# Altium PCB PCB.PcbDoc (part 5 of 5)
Units mm, origin at the board's own origin, x right, y up, seen from the top; angles counter-clockwise.
Board outline 112 x 68.3 mm, 8 copper layers (Top Layer (Sig 1), Ground Plane 1, Signal Layer 2, Power Plane 1, Power Plane 2, Signal Layer 3, Ground Plane 2, Bottom Layer (Sig 4)), stack 1.68 mm thick; 392 components, 293 nets, 1571 pads, 926 vias.
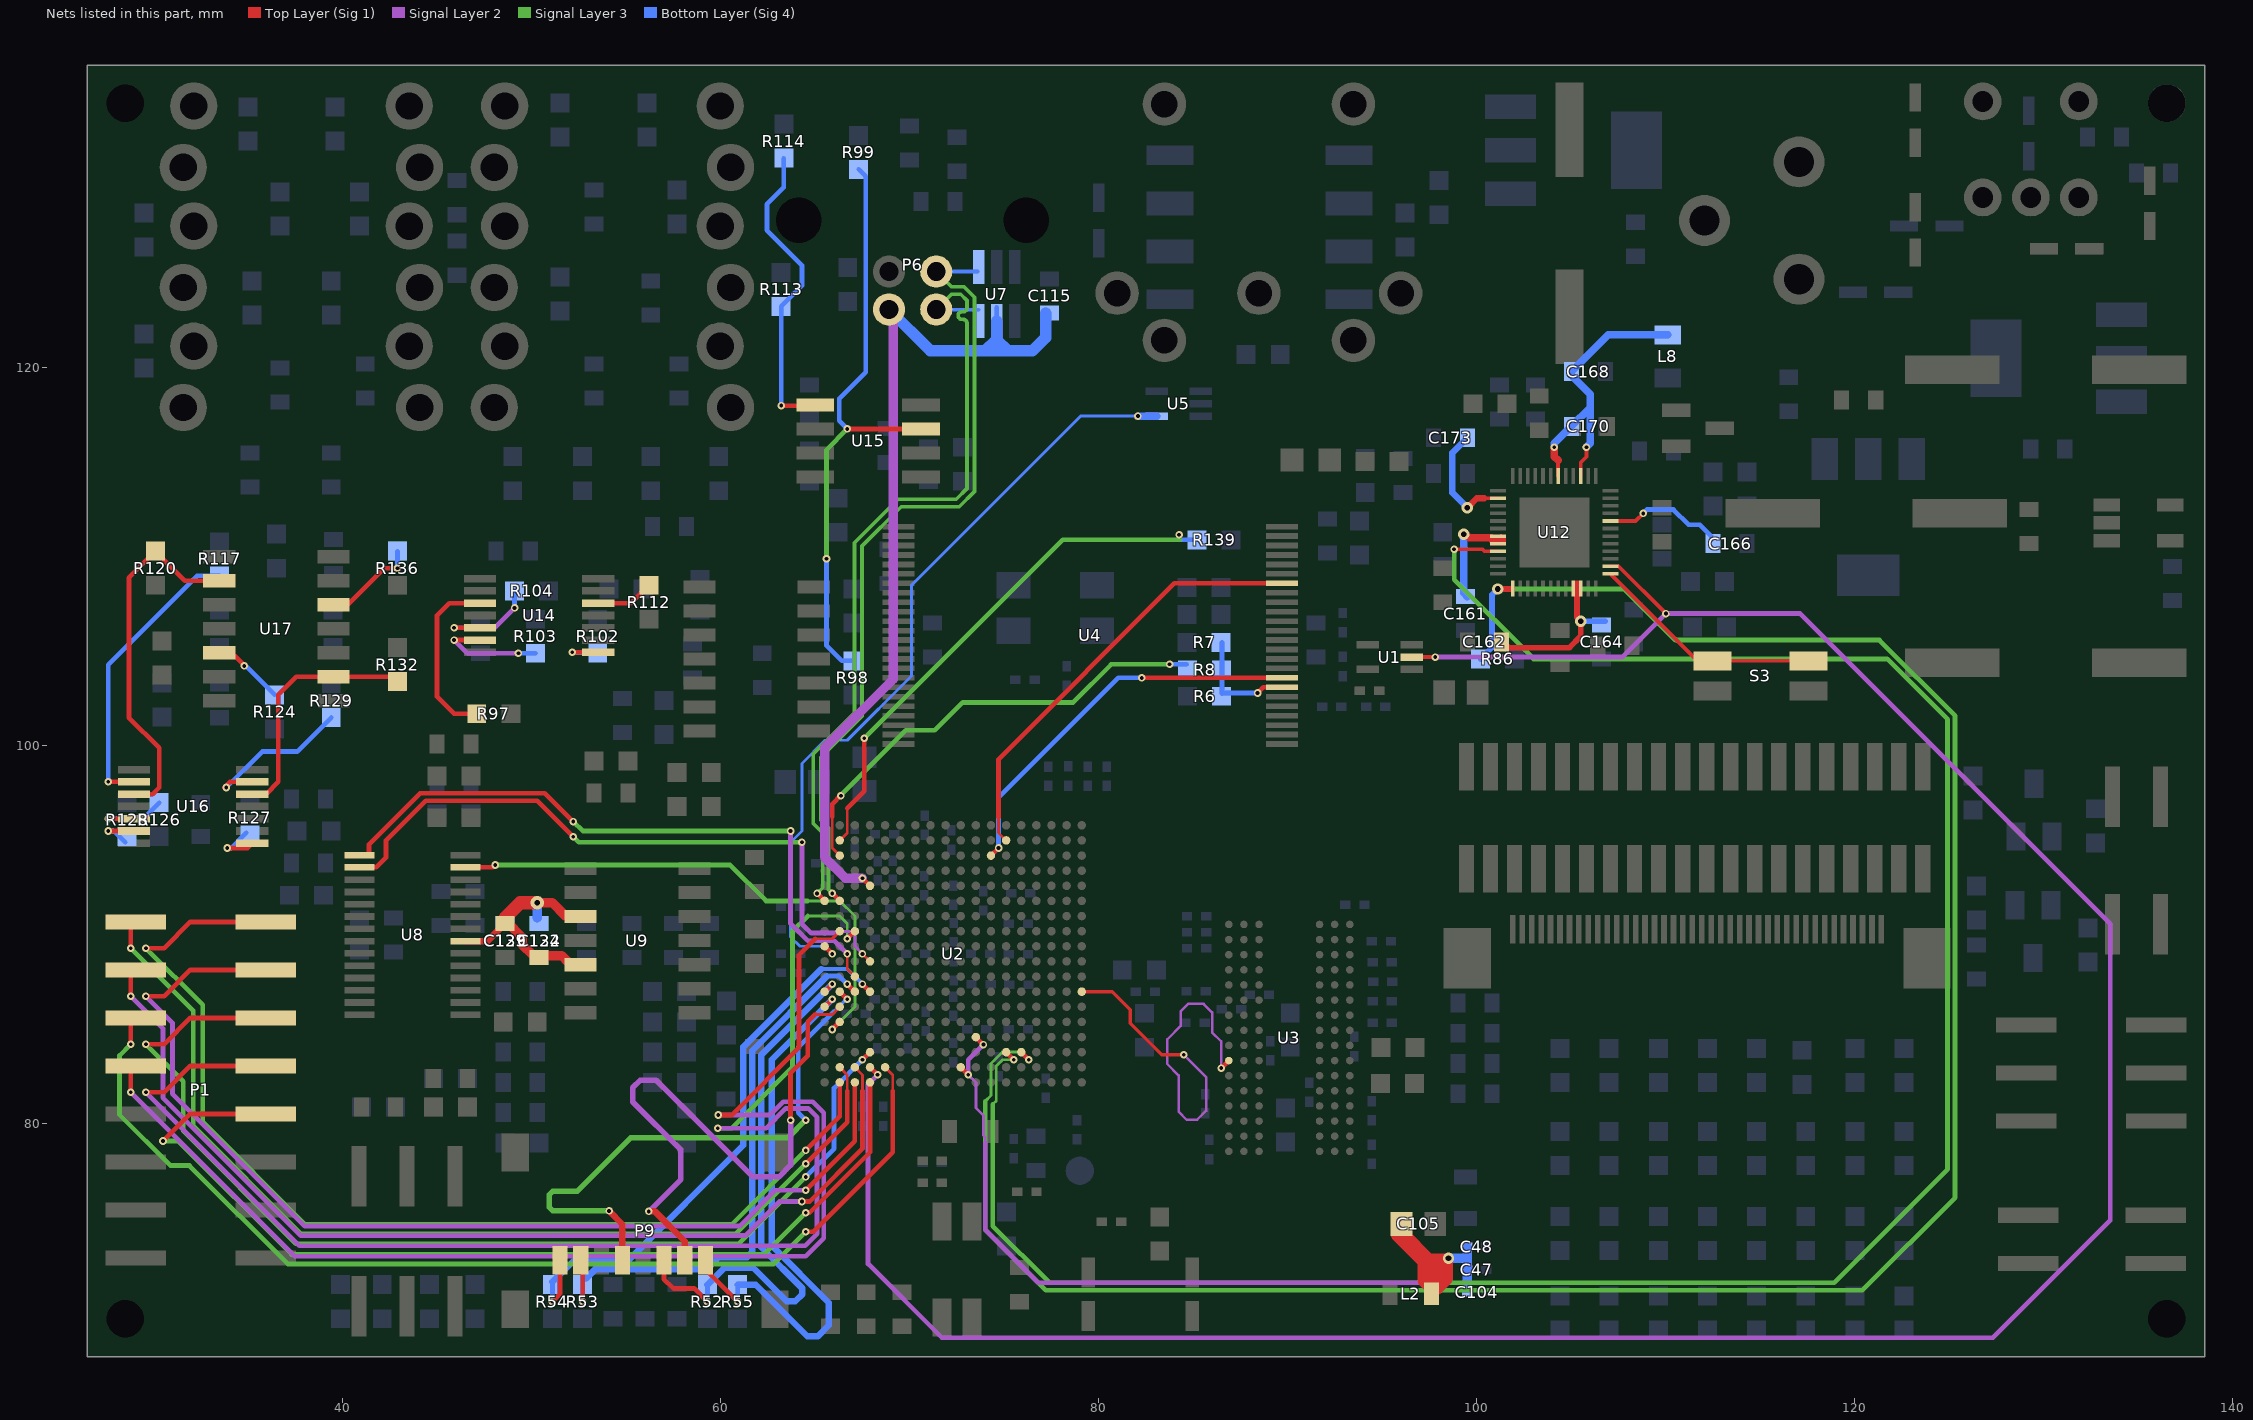
[diagram p11: the nets of this part, all layers, seen from the top]

## Via types
v1: diameter 0.4, hole 0.2, Top Layer (Sig 1) to Bottom Layer (Sig 4), tented top, 394 vias
v2: diameter 0.4, hole 0.2, Top Layer (Sig 1) to Bottom Layer (Sig 4), 265 vias
v3: diameter 0.4, hole 0.2, Top Layer (Sig 1) to Bottom Layer (Sig 4), tented bottom, 83 vias
v4: diameter 0.5, hole 0.2, Top Layer (Sig 1) to Bottom Layer (Sig 4), 44 vias
v5: diameter 1.2, hole 0.6, Top Layer (Sig 1) to Bottom Layer (Sig 4), 27 vias
v6: diameter 0.6, hole 0.3, Top Layer (Sig 1) to Bottom Layer (Sig 4), tented bottom, 15 vias
v7: diameter 0.7, hole 0.3, Top Layer (Sig 1) to Bottom Layer (Sig 4), 15 vias
v8: diameter 0.7, hole 0.3, Top Layer (Sig 1) to Bottom Layer (Sig 4), tented bottom, 13 vias
v9: diameter 0.6, hole 0.3, Top Layer (Sig 1) to Bottom Layer (Sig 4), 10 vias
v10: diameter 0.5, hole 0.2, Top Layer (Sig 1) to Bottom Layer (Sig 4), tented top, 10 vias
v11: diameter 0.5, hole 0.2, Top Layer (Sig 1) to Bottom Layer (Sig 4), tented bottom, 9 vias
v12: diameter 0.6, hole 0.3, Top Layer (Sig 1) to Bottom Layer (Sig 4), tented top, 9 vias
v13: diameter 0.8, hole 0.4, Top Layer (Sig 1) to Bottom Layer (Sig 4), 8 vias
v14: diameter 1, hole 0.5, Top Layer (Sig 1) to Bottom Layer (Sig 4), tented top, 7 vias
v15: diameter 1, hole 0.5, Top Layer (Sig 1) to Bottom Layer (Sig 4), tented bottom, 5 vias
v16: diameter 1.2, hole 0.6, Top Layer (Sig 1) to Bottom Layer (Sig 4), tented bottom, 4 vias
v17: diameter 0.8, hole 0.4, Top Layer (Sig 1) to Bottom Layer (Sig 4), tented bottom, 3 vias
v18: diameter 0.8, hole 0.4, Top Layer (Sig 1) to Bottom Layer (Sig 4), tented top, 2 vias
v19: diameter 0.4, hole 0.2, Top Layer (Sig 1) to Bottom Layer (Sig 4), tented both sides, 1 vias
v20: diameter 0.7, hole 0.3, Top Layer (Sig 1) to Bottom Layer (Sig 4), tented top, 1 vias
v21: diameter 1.2, hole 0.6, Top Layer (Sig 1) to Bottom Layer (Sig 4), tented top, 1 vias

## Nets (pads, with @x,y where several pads share a name; then routed paths per layer and width w, separated by ;. In a path a pad name is that pad's centre, name@x,y a point inside that pad or via, vN(x,y) a via of type N, cw(c..) or ccw(c..) an arc to the next point about the centre after c; other vN are vias at no path point) (continued)
NetR97_1: R97.1 U14.10 | length 9.3
  Top Layer (Sig 1) w0.25: R97.1@47.1,101.7 45.9,101.7 45,102.6 45,106.9 45.65,107.55 U14.10@47.276,107.55
NetR98_1: R98.1 R99.1 U15.3 | length 32.2
  Top Layer (Sig 1) w0.25: v2(66.7,116.77) U15.3@70.594,116.77
  Signal Layer 3 w0.25: v3(65.6,109.9) 65.6,115.67 v2(66.7,116.77)
  Bottom Layer (Sig 4) w0.25: v3(65.6,109.9) 65.6,105.3 66.4,104.5 R98.1@67,104.5 ; v2(66.7,116.77) 66.275,117.195 66.275,118.375 67.675,119.775 67.675,130.125 R99.1@67.3,130.5
NetR102_1: R102.1 U14.1 | length 2.8
  Top Layer (Sig 1) w0.25: v3(52.148,104.95) U14.1@53.524,104.95
  Bottom Layer (Sig 4) w0.25: v3(52.148,104.95) R102.1@53.524,104.95
NetR103_1: R103.1 U14.13 | length 6
  Top Layer (Sig 1) w0.25: v3(45.9,105.6) U14.13@47.276,105.6
  Signal Layer 2 w0.25: v3(45.9,105.6) 46.6,104.9 v3(49.3,104.9)
  Bottom Layer (Sig 4) w0.25: v3(49.3,104.9) R103.1@50.2,104.9
NetR104_1: R104.1 U14.12 | length 5.9
  Top Layer (Sig 1) w0.25: v3(45.9,106.25) U14.12@47.276,106.25
  Signal Layer 2 w0.25: v3(45.9,106.25) 48.05,106.25 v3(49.1,107.3)
  Bottom Layer (Sig 4) w0.25: v3(49.1,107.3) R104.1@49.1,108.2
NetR112_1: R112.1 U14.5 | length 3.1
  Top Layer (Sig 1) w0.25: U14.5@53.524,107.55 55.25,107.55 R112.1@56.2,108.5
NetR113_1: R113.1 R114.1 U15.5 | length 16.5
  Top Layer (Sig 1) w0.25: v2(63.2,118) 64.966,118 U15.5@65.006,118.04
  Bottom Layer (Sig 4) w0.25: v2(63.2,118) R113.1@63.2,123.25 64.3,124.35 64.3,125.425 62.45,127.275 62.45,128.65 63.343,129.543 R114.1@63.343,131.091
NetR117_1: R117.1 U16.9 | length 15.4
  Top Layer (Sig 1) w0.25: v2(27.6,98.1) U16.9@28.976,98.1
  Bottom Layer (Sig 4) w0.25: v2(27.6,98.1) 27.6,104.3 32.3,109 R117.1@33.5,109
NetR120_2: R120.2 U16.10 U17.2 | length 19.2
  Top Layer (Sig 1) w0.25: U16.10@28.976,97.45 29.95,97.45 30.3,97.8 30.3,99.9 28.7,101.5 28.7,108.9 R120.2@30.1,110.3 31.66,108.74 U17.2@33.477,108.74
NetR124_2: R124.2 U17.5 | length 3.2
  Top Layer (Sig 1) w0.25: U17.5@34.13,104.93 v2@34.8,104.26
  Bottom Layer (Sig 4) w0.25: v2(34.8,104.23) 34.87,104.23 R124.2@36.4,102.7
NetR126_2: R126.2 U16.12 | length 4.4
  Top Layer (Sig 1) w0.25: v2(27.6,96.15) U16.12@28.976,96.15
  Bottom Layer (Sig 4) w0.25: v2(27.6,96.15) 29.45,96.15 R126.2@30.3,97
NetR127_1: R127.1 U16.1 | length 2.8
  Top Layer (Sig 1) w0.25: v2(33.9,94.6) 34.974,94.6 U16.1@35.224,94.85
  Bottom Layer (Sig 4) w0.25: v2(33.9,94.6) 34.1,94.6 R127.1@34.9,95.4
NetR128_1: R128.1 U16.13 | length 2.5
  Top Layer (Sig 1) w0.25: v2(27.6,95.5) U16.13@28.976,95.5
  Bottom Layer (Sig 4) w0.25: v2(27.6,95.5) 27.9,95.5 R128.1@28.5,94.9
NetR129_1: R129.1 U16.6 | length 8.7
  Top Layer (Sig 1) w0.25: v2@33.748,97.8 34.048,98.1 U16.6@35.224,98.1
  Bottom Layer (Sig 4) w0.25: v2(33.848,97.8) 35.748,99.7 37.6,99.7 R129.1@39.4,101.5
NetR132_2: R132.2 U16.5 U17.9 | length 13.1
  Top Layer (Sig 1) w0.25: U16.5@35.224,97.45 35.95,97.45 36.6,98.1 36.6,102.7 37.56,103.66 U17.9@39.523,103.66 42.64,103.66 R132.2@42.9,103.4
NetR136_2: R136.2 U17.12 | length 5.1
  Top Layer (Sig 1) w0.25: U17.12@39.523,107.47 40.27,107.47 42.2,109.4 v2(42.9,109.4)
  Bottom Layer (Sig 4) w0.25: v2(42.9,109.4) R136.2@42.9,110.3
NetS3_2: S3.2 S3.4 U12.25 | length 12.4
  Top Layer (Sig 1) w0.2: U12.25@107.075,109.1 111.675,104.5 S3.4@112.46,104.5 S3.2@117.54,104.5
NetU2_K18: U2.K18 U5.4 | length 41.8
  Top Layer (Sig 1) w0.25: U2.K18@65.5,89.4 v1(65.9,89)
  Bottom Layer (Sig 4) w0.15: v1(65.9,89) 65.5,89.4 64.2,89.4 63.7,89.9 63.7,94.9 64.3,95.5 64.3,99.075 65.525,100.3 66.7,100.3 70.1,103.7 70.1,108.5 79.05,117.45 v1(82.07,117.45)
  Bottom Layer (Sig 4) w0.4: v1(82.07,117.45) U5.4@83.07,117.45
NRB0: R8.1 U2.T17 | length 24.7
  Top Layer (Sig 1) w0.15: 65.9,96.25 65.9,94.6 U2.T17@66.3,94.2
  Top Layer (Sig 1) w0.25: 65.9,96.25 65.9,96.925 v1@66.387,97.413
  Signal Layer 3 w0.25: v1@66.387,97.413 69.8,100.825 71.325,100.825 72.8,102.3 78.65,102.3 80.675,104.325 ; 80.65,104.325 v2(83.75,104.325)
  Bottom Layer (Sig 4) w0.25: v2(83.75,104.325) R8.1@84.65,104.325
  other v1: 66.363,97.362
NRB1: R6.2 R7.1 R8.2 U4.7 | length 6
  Top Layer (Sig 1) w0.25: v3(88.4,102.8) 88.7,103.1 U4.7@89.7,103.1
  Bottom Layer (Sig 4) w0.25: R6.2@86.525,102.775 R7.1@86.525,105.475 ; R6.2@86.525,102.8 v3@88.425,102.8
NRE: U2.T7 U4.8 | length 20.9
  Top Layer (Sig 1) w0.25: U2.T7@74.3,94.2 v1(74.7,94.6) ; v3@82.25,103.6 88.4,103.6 U4.8@89.7,103.6
  Bottom Layer (Sig 4) w0.25: v1(74.7,94.6) 74.7,97.275 81.025,103.6 v3(82.275,103.6)
NWE: U2.U6 U4.18 | length 23.3
  Top Layer (Sig 1) w0.15: 74.7,96.2 74.7,95.4 U2.U6@75.1,95
  Top Layer (Sig 1) w0.25: 74.7,96.2 74.7,99.3 84,108.6 U4.18@89.7,108.6
NWP: R139.1 U2.U17 | length 27.9
  Top Layer (Sig 1) w0.15: U2.U17@66.3,95 66.7,95.4 66.7,96.25 66.7,96.7
  Top Layer (Sig 1) w0.25: 66.7,96.7 67.6,97.6 v2(67.6,100.4)
  Signal Layer 3 w0.25: v2(67.6,100.4) 78.1,110.9 84.3,110.9
  Bottom Layer (Sig 4) w0.25: 84.3,110.9 R139.1@85.2,110.9
  other v3: 84.25,111.175
ODT: U2.G1 U3.K1 | length 24.1
  Top Layer (Sig 1) w0.184: U2.G1@79.1,87 80.724,87.001 81.675,86.05 81.675,85.325 83.333,83.667 v2(84.492,83.667)
  Top Layer (Sig 1) w0.25: v1(86.48,82.955) U3.K1@86.879,83.355
  Signal Layer 2 w0.134: v2(84.492,83.667) 85.675,82.484 85.675,80.7 85.2,80.225 84.65,80.225 84.225,80.65 84.225,82.575 83.625,83.175 83.625,84.475 84.35,85.2 84.35,85.975 84.725,86.35 85.55,86.35 86,85.9 86,84.85 86.48,84.37 v1(86.48,82.955)
PGOOD: U1.2 U2.B15 U12.26 | length 145
  Top Layer (Sig 1) w0.2: U1.2@96.6,104.7 v3(97.8,104.7) ; U12.26@107.075,109.5 107.5,109.5 v1(110,107)
  Top Layer (Sig 1) w0.25: U2.B15@67.9,83 v1(68.3,82.6)
  Signal Layer 2 w0.25: v1(68.3,82.6) 67.8,82.1 67.8,72.6 71.694,68.706 ; 71.694,68.7 127.3,68.7 133.5,74.9 133.5,90.6 117.1,107 v1(110,107) 107.7,104.7 v3(97.8,104.7)
PWR_EN: U2.C6 U12.9 | length 121.3
  Top Layer (Sig 1) w0.2: v3(98.8,110.4) 100.3,110.4 100.4,110.3 U12.9@101.125,110.3
  Top Layer (Sig 1) w0.25: U2.C6@75.1,83.8 v1(75.5,83.4)
  Signal Layer 3 w0.15: 74.4,81.05 74.575,81.225 74.575,83.075 74.9,83.4 v1(75.5,83.4)
  Signal Layer 3 w0.25: 74.4,81.05 74.4,74.6 77.4,71.6 118.9,71.6 124.9,77.6 124.9,101.4 121.7,104.6 103,104.6 98.8,108.8 v3(98.8,110.4)
RST_ATMega: P1.6 U2.B14 | length 56.5
  Top Layer (Sig 1) w0.15: U2.B14@68.7,83 69.1,82.6 69.1,81.75
  Top Layer (Sig 1) w0.25: v2(28.8,84.22) P1.6@28.8,85.42 ; v2(64.5,74.3) 64.9,74.3 69.1,78.5 69.1,81.75
  Signal Layer 3 w0.25: v2(28.8,84.22) 28.2,83.62 28.2,80.5 30.9,77.8 31.9,77.8 37.1,72.6 62.8,72.6 v2(64.5,74.3)
SB_N: P6.2 U2.N18 U7.6 | length 42.3
  Top Layer (Sig 1) w0.25: v1(65.1,92.2) U2.N18@65.5,91.8
  Signal Layer 3 w0.2: v1(65.1,92.2) 65.4,92.5 65.4,95.4 64.9,95.9 64.9,99.566 67.083,101.749 67.083,110.749 69.384,113.05 72.459,113.05 73.025,113.616 73.025,122.3 73.025,122.365 ccw(c72.825,122.365) 72.825,122.565 72.763,122.565 cw(c72.763,122.765) 72.563,122.765 cw(c72.763,122.765) 72.763,122.965 72.825,122.965 ccw(c72.825,123.165) 73.025,123.165 73.025,123.365 73.025,123.565 72.7,123.89 72.205,123.89 P6.2@71.405,123.09
  Bottom Layer (Sig 4) w0.2: P6.2@71.405,123.09 U7.6@73.65,123.075
SB_P: P6.3 U2.N17 U7.1 | length 42.3
  Top Layer (Sig 1) w0.25: v1(65.9,92.2) U2.N17@66.3,91.8
  Signal Layer 3 w0.2: v1(65.9,92.2) 65.7,92.4 65.7,95.666 65.3,96.066 65.3,99.4 67.483,101.583 67.483,110.583 69.55,112.65 72.625,112.65 73.425,113.45 73.425,123.731 72.866,124.29 72.205,124.29 P6.3@71.405,125.09
  Bottom Layer (Sig 4) w0.2: P6.3@71.405,125.09 U7.1@73.6,125.09
SD_CLK: P9.5 U2.G17 | length 30.2
  Top Layer (Sig 1) w0.25: U2.G17@66.3,87 v1(66.7,86.6)
  Top Layer (Sig 1) w0.342: v3(54.1,75.4) 54.8,74.7 P9.5@54.8,72.8
  Signal Layer 3 w0.291: v3(54.1,75.4) 51.125,75.4 50.925,75.6 50.925,76.25 51.125,76.45 52.425,76.45 55.25,79.275 63.575,79.275 v1(64.5,80.2)
  Bottom Layer (Sig 4) w0.15: 66.008,85.964 66.645,86.6 v1(66.7,86.6)
  Bottom Layer (Sig 4) w0.25: v1(64.5,80.2) 64.1,80.6 64.1,84.055 66.008,85.964
SD_CMD: P9.3 R52.2 U2.G18 | length 30.4
  Top Layer (Sig 1) w0.25: P9.3@57,72.8 57,71.8 57.5,71.3 58.6,71.3 v2(59.3,70.6) ; U2.G18@65.5,87 v1(65.9,87.4)
  Bottom Layer (Sig 4) w0.25: v2(59.3,70.6) R52.2@59.3,71.5
  Bottom Layer (Sig 4) w0.342: R52.2@59.3,71.5 60.2,72.4 61.725,72.4 63.5,70.625 63.95,70.625 64.325,71 64.325,71.3 62.15,73.475 62.15,83.65 v1(65.9,87.4)
SD_DAT0: P9.7 R53.2 U2.G16 | length 30.4
  Top Layer (Sig 1) w0.25: v2(52.7,70.6) P9.7@52.7,72.7 ; v1(66.7,87.4) U2.G16@67.1,87
  Bottom Layer (Sig 4) w0.25: v2(52.7,70.6) R53.2@52.7,71.5 ; 65.625,87.825 66.275,87.825 v1(66.7,87.4)
  Bottom Layer (Sig 4) w0.342: R53.2@52.9,71.85 53.375,72.325 59.275,72.325 59.9,72.95 61.4,72.95 61.675,73.225 61.675,83.875 65.625,87.825
SD_DAT1: P9.8 R54.2 U2.G15 | length 30.4
  Top Layer (Sig 1) w0.25: v2(51.1,70.6) 51.5,71 P9.8@51.5,72.8 ; v1(67.5,87.4) U2.G15@67.9,87
  Bottom Layer (Sig 4) w0.2: 65.4,88.2 66.7,88.2 v1(67.5,87.4)
  Bottom Layer (Sig 4) w0.25: v2(51.1,70.6) R54.2@51.1,71.5
  Bottom Layer (Sig 4) w0.342: R54.2@51.1,71.65 52.25,72.8 55.125,72.8 61.2,78.875 61.2,84.075 65.325,88.2
SD_DAT2: P9.1 R55.2 U2.F18 | length 30.4
  Top Layer (Sig 1) w0.25: P9.1@59.2,72.8 59.2,72.3 v2(60.9,70.6) ; U2.F18@65.5,86.2 v1(65.9,86.6)
  Bottom Layer (Sig 4) w0.25: v2(60.9,70.6) R55.2@60.9,71.5
  Bottom Layer (Sig 4) w0.342: R55.2@60.9,71.5 61.85,71.5 64.575,68.775 65.15,68.775 65.725,69.35 65.725,70.55 62.729,73.546 ; 62.7,73.55 62.7,83.4 v1(65.9,86.6)
SD_DAT3: P9.2 U2.F17 | length 32.7
  Top Layer (Sig 1) w0.15: 65,85.8 65.9,85.8 U2.F17@66.3,86.2
  Top Layer (Sig 1) w0.25: v2(63.7,80.2) 63.7,82.7 64.6,83.6 64.6,85.4 65,85.8
  Top Layer (Sig 1) w0.342: v2(56.2,75.375) 56.525,75.375 58.1,73.8 P9.2@58.1,72.8
  Signal Layer 2 w0.291: v2(56.2,75.375) 57.9,77.075 57.9,78.625 55.35,81.175 55.35,81.925 55.75,82.325 56.575,82.325 61.7,77.2 63.075,77.2 63.7,77.825 v2(63.7,80.2)
SPI0_CS0: P1.3 U2.A16 | length 56.6
  Top Layer (Sig 1) w0.25: v1(29.6,86.76) 30.56,86.76 31.95,88.15 P1.3@35.929,88.15 ; v2(64.5,76.5) 67.1,79.1 U2.A16@67.1,82.2
  Signal Layer 2 w0.25: v1(29.6,86.76) 31,85.36 31,81.607 38.007,74.6 61,74.6 62.9,76.5 v2(64.5,76.5)
SPI0_CS1: P1.5 U2.C15 | length 57.2
  Top Layer (Sig 1) w0.25: v1(29.6,84.22) 30.56,84.22 31.95,85.61 P1.5@35.929,85.61 ; v1(67.5,83.4) U2.C15@67.9,83.8
  Signal Layer 3 w0.25: v1(29.6,84.22) 31.566,82.254 31.566,79.634 37.534,73.666 60.966,73.666 v2(64.5,77.2)
  Bottom Layer (Sig 4) w0.25: v2(64.5,77.2) 66,78.7 66,81.9 v1(67.5,83.4)
SPI0_MISO: P1.2 U2.B17 | length 54.5
  Top Layer (Sig 1) w0.15: P1.2@28.6,90.5 P1.2@28.8,90.3 ; U2.B17@66.3,83 66.7,82.6 66.7,81.75
  Top Layer (Sig 1) w0.25: v2(28.8,89.3) P1.2@28.8,90.3 ; v2(64.5,77.9) 66.7,80.1 66.7,81.75
  Signal Layer 3 w0.25: v2(28.8,89.3) 32.1,86 32.1,79.9 37.8,74.2 60.8,74.2 v2(64.5,77.9)
SPI0_MOSI: P1.4 U2.B16 | length 53.7
  Top Layer (Sig 1) w0.15: U2.B16@67.1,83 67.5,82.6 67.5,81.75
  Top Layer (Sig 1) w0.25: v2(28.8,86.76) P1.4@28.8,87.96 ; v3(64.3,75.9) 64.7,75.9 67.5,78.7 67.5,81.75
  Signal Layer 2 w0.25: v2(28.8,86.76) 30.5,85.06 30.5,81.4 37.8,74.1 61.3,74.1 63.1,75.9 v3(64.3,75.9)
SPI0_SCLK: P1.1 U2.A17 | length 57.4
  Top Layer (Sig 1) w0.25: v1(29.6,89.3) 30.56,89.3 31.95,90.69 P1.1@35.929,90.69 ; v2(64.5,78.6) 66.3,80.4 U2.A17@66.3,82.2
  Signal Layer 3 w0.25: v1(29.6,89.3) 32.6,86.3 32.6,80.107 38.007,74.7 60.6,74.7 v2(64.5,78.6)
SPI1_CS0_CODEC: U2.E17 U8.27 | length 28.8
  Top Layer (Sig 1) w0.25: U8.27@46.5,93.575 47.95,93.575 v1(48.075,93.7) ; v1(65.9,85) U2.E17@66.3,85.4
  Signal Layer 3 w0.15: 64.6,91.8 66.3,91.8 67.1,91 67.1,86.2 v1(65.9,85)
  Signal Layer 3 w0.25: v1(48.075,93.7) 60.5,93.7 62.4,91.8 64.6,91.8
SPI1_CS1_ATMega: P1.9 U2.A15 | length 51.8
  Top Layer (Sig 1) w0.25: v1(30.5,79.1) 31.93,80.53 P1.9@35.929,80.53 ; v2(64.5,75.3) 64.7,75.3 67.9,78.5 U2.A15@67.9,82.2
  Signal Layer 3 w0.25: v1(30.5,79.1) 31.3,79.1 37.3,73.1 62.3,73.1 v2(64.5,75.3)
SPI1_MOSI: U2.J15 U8.2 | length 35.4
  Top Layer (Sig 1) w0.15: v1(67.5,89) U2.J15@67.9,88.6
  Top Layer (Sig 1) w0.25: U8.2@40.9,93.575 41.775,93.575 42.3,94.1 42.3,95 44.4,97.1 50.3,97.1 v3(52.2,95.2)
  Signal Layer 2 w0.15: 66.1,90.1 66.191,90.191 66.857,90.191 67.1,89.948 67.1,89.4 v1(67.5,89)
  Signal Layer 2 w0.25: v1(64.3,94.9) 64.3,90.6 64.8,90.1 66.1,90.1
  Signal Layer 3 w0.25: v3(52.2,95.2) 52.5,94.9 v1(64.3,94.9)
SPI1_SCLK: U2.H16 U8.1 | length 34.8
  Top Layer (Sig 1) w0.15: v1(66.7,89) 66.7,88.2 U2.H16@67.1,87.8
  Top Layer (Sig 1) w0.25: U8.1@41.4,94.225 41.4,94.8 44.1,97.5 50.7,97.5 v3(52.2,96)
  Signal Layer 2 w0.25: v1(63.7,95.5) 63.7,90.6 64.6,89.7 66,89.7 v1(66.7,89)
  Signal Layer 3 w0.25: v3(52.2,96) 52.7,95.5 v1(63.7,95.5)
SYS: C161.2 C162.2 C164.2 C166.2 C168.2 C170.2 C173.2 L8.1 U12.2 U12.7 U12.8 U12.21 U12.22 U12.32 U12.39 U12.42 | length 42.4
  Top Layer (Sig 1) w0.2: 100.4,113.1 U12.2@101.125,113.1 ; U12.42@104.3,114.275 104.3,115.1 ; U12.39@105.5,114.275 105.5,115 105.8,115.3 v3(105.8,115.8) ; U12.32@107.075,111.9 108.4,111.9 v2(108.8,112.3)
  Top Layer (Sig 1) w0.3: C162.2@101.3,105.6 101.7,105.2 104.9,105.2 105.5,105.8 v12(105.5,106.6) 105.3,106.8 105.3,108.1
  Top Layer (Sig 1) w0.35: v12(99.5,112.6) 100,113.1 100.4,113.1
  Top Layer (Sig 1) w0.4: v6(99.3,111.2) 99.4,111.2 99.6,111 100.8,111 100.9,110.9 ; v3(104.1,115.8) 104.1,115.3 104.3,115.1
  Top Layer (Sig 1) w0.5: 100.9,110.85 100.9,110.9 ; 101.3,110.85 101.3,110.95 ; 105.25,108.1 105.3,108.1 105.35,108.1 ; 105.25,108.5 105.35,108.5
  Bottom Layer (Sig 4) w0.25: v2(108.8,112.3) 109,112.5 110.4,112.5 111.2,111.7 111.8,111.7 C166.2@112.4,111.1
  Bottom Layer (Sig 4) w0.3: v12(105.5,106.6) C164.2@106.8,106.6
  Bottom Layer (Sig 4) w0.35: v12(99.5,112.6) 98.7,113.4 98.7,115.5 C173.2@99.5,116.3
  Bottom Layer (Sig 4) w0.4: v6(99.3,111.2) 99.3,108.1 C161.2@99.5,107.9 ; v3(104.1,115.8) 104.1,116 C170.2@105,116.9 106,117.9 ; C168.2@105,119.6 105.9,118.7 106,118.6 106,116 v3(105.8,115.8) ; C168.2@105,119.8 106.943,121.743 L8.1@110.1,121.743
UART_ATM-to-Proc: P1.8 U2.L17 | length 67.9
  Top Layer (Sig 1) w0.15: 65,89.8 65.9,89.8 U2.L17@66.3,90.2
  Top Layer (Sig 1) w0.25: v2(28.8,81.68) P1.8@28.8,82.88 ; v3(59.875,80.475) 60.575,80.475 64.15,84.05 64.15,88.95 65,89.8
  Signal Layer 2 w0.25: v2(28.8,81.68) 37.48,73 64.5,73 65.45,73.95 65.45,80.6 64.875,81.175 63.305,81.175 62.605,80.475 v3(59.875,80.475)
UART_Proc-to-ATM: P1.7 U2.L16 | length 75.3
  Top Layer (Sig 1) w0.25: v1(29.6,81.68) 30.56,81.68 31.95,83.07 P1.7@35.929,83.07 ; v1(66.7,89.8) U2.L16@67.1,90.2
  Signal Layer 2 w0.25: v1(29.6,81.68) 37.714,73.566 64.466,73.566 65.1,74.2 65.1,80.35 64.625,80.825 63.45,80.825 62.4,79.775 v3(59.85,79.775)
  Signal Layer 3 w0.15: 64.6,91 65.73,91 65.735,90.995 66.045,90.995 66.05,91 66.3,91 66.7,90.6 v1(66.7,89.8)
  Signal Layer 3 w0.25: v3(59.85,79.775) 60.575,79.775 63.8,83 63.8,90.2 64.6,91
USB0_VBUS: C115.1 P6.1 U2.P15 U7.5 | length 47.6
  Top Layer (Sig 1) w0.25: v1(67.5,93) U2.P15@67.9,92.6
  Signal Layer 2 w0.5: v1(67.5,93) 66.6,93 65.5,94.1 65.5,99.9 69.13,103.53 P6.1@69.13,123.09
  Bottom Layer (Sig 4) w0.25: U7.5@74.6,122.7 U7.5@74.6,123.2
  Bottom Layer (Sig 4) w0.6: P6.1@68.905,123.09 71.095,120.9 74,120.9 ; U7.5@74.6,122.478 74.6,121.5 ; 75.3,120.9 75.2,120.9 ; C115.1@77.2,122.9 77.2,121.6 76.5,120.9 75.2,120.9 ; 74,120.9 75.2,120.9 ; 74,120.9 74.6,121.5 ; 74.6,121.5 75.2,120.9
VDDA_ADC: C47.1 C48.1 C104.1 C105.2 L2.2 U2.B9 U2.D8 | length 53.5
  Top Layer (Sig 1) w0.25: U2.B9@72.7,83 v1(73.1,82.6) ; U2.D8@73.5,84.6 v1(73.9,84.2)
  Top Layer (Sig 1) w0.5: C105.2@95.7,74.1 97.1,72.7 97.1,72 ; C105.2@96.2,74.2 97.5,72.9 v6(98.5,72.9) 98.5,72.5 ; 97.3,72.5 98.5,72.5 ; 97.1,71.7 97.6,71.2 97.9,71.2 98.4,71.7 ; 97.1,71.7 97.1,72 ; 97.1,71.7 98.4,71.7 ; 97.1,72 98.5,72 ; 98.4,71.7 98.5,71.8 98.5,72 ; 98.5,72 98.5,72.5
  Signal Layer 2 w0.15: v1(73.1,82.6) 73.5,82.2 73.5,80.848 73.9,80.448 73.9,79.4 74,79.3 74,79
  Signal Layer 2 w0.25: v1(73.1,82.6) 73.1,83.4 v1(73.9,84.2) ; 74,79 74,74.4 76.8,71.6 97.2,71.6 v6(98.5,72.9)
  Bottom Layer (Sig 4) w0.5: v6(98.5,72.9) 99.492,72.9 ; C104.1@99.492,71.308 C47.1@99.492,72.3 ; C47.1@99.501,72.451 C48.1@99.501,73.443
Vref_CODEC: C124.1 C129.1 C132.1 C133.2 U8.21 U9.3 U9.5 | length 14.5
  Top Layer (Sig 1) w0.35: U8.21@46.5,89.675 47.675,89.675 C133.2@48.6,90.6 C133.2@48.7,90.7 ; C133.2@48.6,90.9 C133.2@48.7,90.7 ; C133.2@48.72,90.66 C133.2@48.7,90.7
  Top Layer (Sig 1) w0.5: C133.2@48.72,90.66 49.5,89.88 49.5,89.5 50.1,88.9 51.6,88.9 U9.5@51.9,88.6 ; v8(50.3,91.7) 51.1,91.7 51.8,91 U9.3@52.1,91
  Top Layer (Sig 1) w0.7: C133.2@48.6,90.9 49.4,91.7 v8(50.3,91.7)
  Bottom Layer (Sig 4) w0.5: C129.1@48.6,90.6 48.6,91 49.3,91.7 v8(50.3,91.7) C124.1@50.3,90.9
WAKEUP: R86.1 U2.C5 U12.13 | length 123.9
  Top Layer (Sig 1) w0.2: U12.13@101.875,108.3 U12.13@101.9,108.325
  Top Layer (Sig 1) w0.25: U2.C5@75.9,83.8 v1(76.3,83.4)
  Top Layer (Sig 1) w0.3: v12(101.1,108.3) U12.13@101.875,108.3
  Signal Layer 3 w0.15: 74,81.2 74.3,81.5 74.3,83.2 74.9,83.8 75.9,83.8 v1(76.3,83.4)
  Signal Layer 3 w0.25: 74,81.2 74,74.4 77.2,71.2 120.4,71.2 125.3,76.1 125.3,101.6 121.3,105.6 110.5,105.6 107.8,108.3 v12(101.1,108.3)
  Bottom Layer (Sig 4) w0.3: R86.1@100.2,104.6 100.8,105.2 100.8,108 v12(101.1,108.3)
pads on no net: D10.3 J1.2 P4.6 P6. P7.33 P7.34 P8. P8.35 P9. P10. P10.1 P10.2 P10.3 Q2.3 Q2.4 S1. S1.1 U1.1 U2.A8 U2.B8 U2.B12 U2.C8 U2.C9 U2.C12 U2.C13 U2.D14 U2.E18 U2.F15 U2.F16 U2.H17 U2.H18 U2.J16 U2.J17 U2.J18 U2.K15 U2.K16 U2.K17 U2.L15 U2.M5 U2.M15 U2.M16 U2.M17 U2.M18 U2.N14 U2.P16 U2.P17 U2.P18 U2.R13 U2.R14 U2.R17 U2.R18 U2.T13 U2.T14 U2.T15 U2.T16 U2.T18 U2.U9 U2.U14 U2.U15 U2.U16 U2.U18 U2.V9 U2.V14 U2.V15 U2.V16 U2.V17 U3.J1 U3.J9 U3.L1 U3.L9 U4.1 U4.2 U4.3 U4.4 U4.5 U4.6 U4.10 U4.11 U4.14 U4.15 U4.20 U4.21 U4.22 U4.23 U4.24 U4.25 U4.26 U4.27 U4.28 U4.33 U4.34 U4.35 U4.38 U4.39 U4.40 U4.45 U4.46 U4.47 U4.48 U5.1 U7.3 U7.4 U8.13 U8.14 U11.1 U11.4 U12.4 U12.5 U12.6 U12.11 U12.14 U12.15 U12.16 U12.17 U12.44 U14.7 U14.8 U16.7 U16.8 VR1.2 VR2.2 VR3.4 VR4.1 VR4.3

## Polygon pours and split planes (outlines as drawn)
NetC171_2 on Top Layer (Sig 1) "+3.3V_CORE" (solid, pour order 16): 103.5,115 103.8,115.1 103.7,115.8 103.8,116.3 102.631,116.476 102.8,115.7 103,115.4
+1.5V_DDR on Top Layer (Sig 1) "+1.5V_DDR" (solid, pour order 12): 104.4,107.7 104.2,107.7 104.1,107.4 103.9,107.1 103.7,105.7 104.9,106.4 104.8,106.9 104.4,107.1
+1.1V_MPU on Top Layer (Sig 1) "+1.1V_MPU" (solid, pour order 10): 106.4,107.9 106.2,107.7 106.1,107 106,106.3 106,105.1 106.8,105.1 106.8,107.2 106.7,107.5
+1.1V_CORE on Top Layer (Sig 1) "+1.1V_CORE" (solid, pour order 8): 107.7,110.8 107.7,110.6 108,110.5 108.1,110.4 110.3,110.4 110.3,111.2 108.3,111.2 107.9,111.1
+1.8V_PMIC on Top Layer (Sig 1) "+1.8V_PMIC" (solid, pour order 2): 105,114.9 105.2,114.9 105.3,115.2 105.4,115.3 105.4,117.4 104.6,117.4 104.6,115.4 104.7,115.1
NetC158_2 on Top Layer (Sig 1) "+5V" (solid, pour order 14): 100.5,109.8 100.5,110 100,110.1 99.3,110 98.2,110 98.6,109 100.1,109.3 100.4,109.5
GND on Ground Plane 1 (split plane): 137.99,68.21 53.852,68.21 53.852,77.196 62.478,85.822 62.518,85.874 62.544,85.935 62.552,86 62.552,101.396 73.178,112.022 73.218,112.074 73.244,112.135 73.252,112.2 73.252,135.49 137.99,135.49
AGND on Ground Plane 1 (split plane): 72.748,112.304 62.122,101.678 62.082,101.626 62.056,101.565 62.048,101.5 62.048,86.104 53.422,77.478 53.382,77.426 53.356,77.365 53.348,77.3 53.348,68.21 27.01,68.21 27.01,135.49 72.748,135.49
+5VA on Power Plane 1 (split plane): 137.99,113.127 134.7,113.127 134.651,113.118 134.61,113.09 133.61,112.09 133.582,112.049 133.573,112 133.573,109.9 133.582,109.851 133.61,109.81 135.173,108.247 135.173,101.4 135.182,101.351 135.21,101.31 136.21,100.31 136.251,100.282 136.3,100.273 137.99,100.273 137.99,96.927 131.353,96.927 129.227,99.053 129.227,109.8 129.218,109.849 129.19,109.89 124.927,114.153 124.927,118.7 124.918,118.749 124.89,118.79 123.39,120.29 123.349,120.318 123.3,120.327 120.827,120.327 120.827,135.49 137.99,135.49
-5V on Power Plane 1 (split plane): 137.99,112.83 137.99,100.527 136.353,100.527 135.427,101.453 135.427,108.3 135.418,108.349 135.39,108.39 133.827,109.953 133.827,111.947 134.753,112.873 137.947,112.873
SYS on Power Plane 1 (split plane): 108.673,114.147 108.673,113.08 108.682,113.031 108.71,112.99 109.073,112.627 109.073,112.053 106.21,109.19 106.182,109.149 106.173,109.1 106.173,106.553 105.747,106.127 104.327,106.127 104.327,106.6 104.319,106.641 104.318,106.649 104.29,106.69 103.49,107.49 103.449,107.518 103.4,107.527 95.927,107.527 95.927,111.347 97.553,112.973 101.4,112.973 101.449,112.982 101.49,113.01 103.663,115.182 103.69,115.224 103.7,115.273 103.7,115.82 104.13,116.25 106.57,116.25
+3.3VA on Power Plane 1 (split plane): 124.673,118.647 124.673,114.1 124.682,114.051 124.71,114.01 128.973,109.747 128.973,99 128.982,98.951 129.01,98.91 131.21,96.71 131.251,96.682 131.3,96.673 137.99,96.673 137.99,92.627 128.153,92.627 125.027,95.753 125.027,96.2 125.027,108.2 125.018,108.249 124.99,108.29 120.827,112.453 120.827,120.073 123.247,120.073
+5V on Power Plane 1 (split plane): 120.573,112.4 120.582,112.351 120.61,112.31 124.773,108.147 124.773,96.2 124.773,95.827 123.053,95.827 121.927,96.953 121.927,106.8 121.918,106.849 121.89,106.89 116.327,112.453 116.327,121.5 116.318,121.549 116.29,121.59 112.89,124.99 112.849,125.018 112.8,125.027 95.88,125.027 95.831,125.018 95.79,124.99 92.527,121.727 90.853,121.727 90.127,122.453 90.127,124.7 90.127,126.447 92.353,128.673 95.4,128.673 95.449,128.682 95.49,128.71 97.39,130.61 97.418,130.651 97.427,130.7 97.427,135.49 120.573,135.49
+3.3VA on Power Plane 1 (split plane): 68.25,113.13 65.39,115.99 65.349,116.018 65.3,116.027 41.5,116.027 41.451,116.018 41.41,115.99 33.61,108.19 33.582,108.149 33.573,108.1 33.573,100.5 33.582,100.451 33.61,100.41 44.41,89.61 44.451,89.582 44.5,89.573 58.1,89.573 58.149,89.582 58.19,89.61 61.973,93.392 61.973,82.553 50.01,70.59 49.982,70.549 49.973,70.5 49.973,68.21 27.01,68.21 27.01,135.49 90.609,135.49
+1.8V_PMIC on Power Plane 1 (split plane): 105.873,118.547 105.873,116.505 104.077,116.505 104.029,116.495 103.987,116.468 103.482,115.963 103.455,115.921 103.445,115.873 103.445,115.325 101.347,113.227 97.5,113.227 97.451,113.218 97.41,113.19 95.71,111.49 95.682,111.449 95.673,111.4 95.673,107.453 95.11,106.89 78.547,90.327 76.2,90.327 76.151,90.318 76.11,90.29 75.81,89.99 75.782,89.949 75.773,89.9 75.773,85.4 75.773,84.35 75.773,80.027 73.453,80.027 72.827,80.653 72.827,90.147 75.053,92.373 77,92.373 77.049,92.382 77.09,92.41 93.29,108.61 93.318,108.651 93.319,108.659 93.327,108.7 93.327,112.647 96.453,115.773 99.2,115.773 99.249,115.782 99.29,115.81 102.653,119.173 105.247,119.173
+5VA on Power Plane 1 (split plane): 68.07,112.95 62.01,106.89 61.982,106.849 61.973,106.8 61.973,93.753 58.047,89.827 44.553,89.827 33.827,100.553 33.827,108.047 41.553,115.773 65.247,115.773
+3.3V_CORE on Power Plane 1 (split plane): 97.173,130.753 95.347,128.927 92.3,128.927 92.251,128.918 92.21,128.89 89.91,126.59 89.882,126.549 89.873,126.5 89.873,124.7 89.873,122.4 89.882,122.351 89.91,122.31 90.71,121.51 90.751,121.482 90.759,121.481 90.8,121.473 92.58,121.473 92.629,121.482 92.67,121.51 95.933,124.773 112.747,124.773 116.073,121.447 116.073,112.4 116.082,112.351 116.11,112.31 121.673,106.747 121.673,96.9 121.682,96.851 121.71,96.81 122.91,95.61 122.951,95.582 123,95.573 124.847,95.573 128.01,92.41 128.051,92.382 128.1,92.373 137.99,92.373 137.99,68.21 98.227,68.21 98.227,98.447 104.29,104.51 104.318,104.551 104.327,104.6 104.327,105.873 105.8,105.873 105.849,105.882 105.89,105.91 106.39,106.41 106.418,106.451 106.427,106.5 106.427,109.047 109.29,111.91 109.318,111.951 109.327,112 109.327,112.68 109.318,112.729 109.29,112.77 108.927,113.133 108.927,114.2 108.918,114.249 108.89,114.29 106.713,116.468 106.671,116.495 106.623,116.505 106.127,116.505 106.127,118.6 106.118,118.649 106.09,118.69 105.39,119.39 105.349,119.418 105.3,119.427 102.6,119.427 102.551,119.418 102.51,119.39 99.147,116.027 96.4,116.027 96.351,116.018 96.31,115.99 93.11,112.79 93.082,112.749 93.073,112.7 93.073,108.753 76.947,92.627 75,92.627 74.951,92.618 74.91,92.59 72.61,90.29 72.582,90.249 72.573,90.2 72.573,80.6 72.582,80.551 72.61,80.51 73.31,79.81 73.351,79.782 73.4,79.773 75.847,79.773 76.873,78.747 76.873,68.21 50.227,68.21 50.227,70.447 62.19,82.41 62.218,82.451 62.219,82.459 62.227,82.5 62.227,106.747 68.34,112.86 90.97,135.49 97.173,135.49
+1.5V_DDR on Power Plane 1 (split plane): 104.073,106.547 104.073,104.653 98.01,98.59 97.982,98.549 97.973,98.5 97.973,68.21 77.127,68.21 77.127,78.8 77.118,78.849 77.09,78.89 76.027,79.953 76.027,85.4 76.027,89.847 76.253,90.073 78.6,90.073 78.649,90.082 78.69,90.11 95.29,106.71 95.853,107.273 103.347,107.273
+3.3VA on Power Plane 2 (split plane): 74.527,102.708 74.527,116.8 74.518,116.849 74.49,116.89 72.408,118.973 90.792,118.973
+5V on Power Plane 2 (split plane): 119.873,116.447 119.873,112.8 119.88,112.761 117.847,110.727 112.927,110.727 112.927,110.8 112.918,110.849 112.909,110.862 112.89,110.89 112.19,111.59 112.149,111.618 112.1,111.627 97.7,111.627 97.651,111.618 97.61,111.59 96.647,110.627 95.353,110.627 94.927,111.053 94.927,114.047 95.153,114.273 104.8,114.273 104.849,114.282 104.89,114.31 106.59,116.01 107.853,117.273 119.047,117.273
+3.3V_CORE on Power Plane 2 (split plane): 76.873,92.947 76.873,91.127 75.953,91.127 75.69,91.39 74.39,92.69 74.349,92.718 74.3,92.727 73.608,92.727 74.153,93.273 76.547,93.273
+1.1V_CORE on Power Plane 2 (split plane): 112.673,110.747 112.673,106.753 110.747,104.827 102,104.827 101.951,104.818 101.91,104.79 82.747,85.627 72.853,85.627 70.59,87.89 70.549,87.918 70.5,87.927 69.833,87.927 69.627,88.133 69.627,89.5 69.618,89.549 69.59,89.59 68.855,90.325 68.855,91.575 69.753,92.473 74.247,92.473 75.51,91.21 75.81,90.91 75.851,90.882 75.9,90.873 76.873,90.873 76.873,90.8 76.882,90.751 76.91,90.71 76.951,90.682 77,90.673 77.049,90.682 77.09,90.71 97.753,111.373 112.047,111.373
+5V on Power Plane 2 (split plane): 94.673,111 94.682,110.951 94.71,110.91 95.21,110.41 95.251,110.382 95.3,110.373 96.392,110.373 77.127,91.108 77.127,93 77.118,93.049 77.09,93.09 76.69,93.49 76.649,93.518 76.6,93.527 74.408,93.527 76.09,95.21 94.673,113.792
+3.3VA on Power Plane 2 (split plane): 137.99,112.327 121.453,112.327 120.54,113.24 120.499,113.268 120.45,113.277 120.401,113.268 120.36,113.24 120.127,113.008 120.127,116.5 120.118,116.549 120.09,116.59 119.68,117 122.153,119.473 124.347,119.473 124.927,118.892 124.927,118.045 124.937,117.996 124.965,117.955 125.91,117.01 125.951,116.982 126,116.973 128.8,116.973 128.849,116.982 128.89,117.01 130.19,118.31 130.218,118.351 130.227,118.4 130.227,123.6 130.218,123.649 130.19,123.69 125.99,127.89 125.949,127.918 125.9,127.927 61.8,127.927 61.751,127.918 61.71,127.89 54.81,120.99 54.782,120.949 54.773,120.9 54.773,111.953 49.81,106.99 49.782,106.949 49.773,106.9 49.773,98.653 44.347,93.227 43.8,93.227 43.751,93.218 43.71,93.19 43.01,92.49 42.982,92.449 42.973,92.4 42.973,91.5 42.982,91.451 43.01,91.41 43.51,90.91 43.551,90.882 43.6,90.873 44.947,90.873 46.173,89.647 46.173,83.127 35.653,83.127 30.727,88.053 30.727,96.347 38.89,104.51 38.918,104.551 38.927,104.6 38.927,106.3 38.918,106.349 38.909,106.362 38.89,106.39 38.19,107.09 38.149,107.118 38.1,107.127 36.9,107.127 36.851,107.118 36.81,107.09 27.01,97.291 27.01,135.49 137.99,135.49
+5VA on Power Plane 2 (split plane): 129.973,123.547 129.973,118.453 128.747,117.227 126.053,117.227 125.182,118.098 125.182,118.945 125.173,118.994 125.163,119.008 125.145,119.035 124.49,119.69 124.449,119.718 124.4,119.727 122.1,119.727 122.051,119.718 122.01,119.69 119.5,117.18 119.19,117.49 119.149,117.518 119.1,117.527 107.953,117.527 106.29,119.19 106.249,119.218 106.2,119.227 91.1,119.227 66.9,119.227 66.851,119.218 66.81,119.19 65.71,118.09 65.682,118.049 65.673,118 65.673,111.053 58.31,103.69 58.282,103.649 58.273,103.6 58.273,87.053 54.347,83.127 46.427,83.127 46.427,89.7 46.418,89.749 46.39,89.79 45.09,91.09 45.049,91.118 45,91.127 43.653,91.127 43.227,91.553 43.227,92.347 43.853,92.973 44.4,92.973 44.449,92.982 44.49,93.01 49.99,98.51 50.018,98.551 50.027,98.6 50.027,106.847 54.99,111.81 55.018,111.851 55.027,111.9 55.027,120.847 61.853,127.673 125.847,127.673
+1.8V_PMIC on Power Plane 2 (split plane): 107.67,117.45 106.41,116.19 104.747,114.527 95.1,114.527 95.051,114.518 95.01,114.49 75.91,95.39 75.81,95.29 73.247,92.727 69.7,92.727 69.651,92.718 69.61,92.69 68.637,91.718 68.61,91.676 68.6,91.627 68.6,90.273 68.61,90.224 68.637,90.182 69.373,89.447 69.373,88.727 68.955,88.727 68.906,88.718 68.865,88.69 68.61,88.435 68.582,88.394 68.573,88.345 68.573,85.4 68.582,85.351 68.61,85.31 68.651,85.282 68.7,85.273 69.299,85.273 69.473,85.099 69.473,84.327 67.453,84.327 66.027,85.753 66.027,97.022 74.273,105.267 74.273,102.4 74.282,102.351 74.31,102.31 74.351,102.282 74.4,102.273 74.449,102.282 74.49,102.31 91.153,118.973 106.147,118.973
-5V on Power Plane 2 (split plane): 74.273,116.747 74.273,105.628 65.81,97.165 65.782,97.123 65.772,97.075 65.772,85.7 65.782,85.652 65.81,85.61 67.31,84.11 67.338,84.091 67.351,84.082 67.4,84.073 69.547,84.073 73.41,80.21 73.451,80.182 73.5,80.173 84.8,80.173 84.849,80.182 84.89,80.21 109.253,104.573 110.8,104.573 110.849,104.582 110.89,104.61 112.89,106.61 112.918,106.651 112.927,106.7 112.927,110.473 117.9,110.473 117.949,110.482 117.99,110.51 120.45,112.97 121.31,112.11 121.351,112.082 121.4,112.073 137.99,112.073 137.99,68.21 27.01,68.21 27.01,96.93 36.953,106.873 38.047,106.873 38.673,106.247 38.673,104.653 30.51,96.49 30.482,96.449 30.473,96.4 30.473,88 30.482,87.951 30.51,87.91 35.51,82.91 35.551,82.882 35.6,82.873 54.4,82.873 54.449,82.882 54.49,82.91 58.49,86.91 58.518,86.951 58.527,87 58.527,103.547 65.89,110.91 65.918,110.951 65.927,111 65.927,117.947 66.953,118.973 72.047,118.973
+1.1V_MPU on Power Plane 2 (split plane): 84.747,80.427 73.553,80.427 69.727,84.253 69.727,85.152 69.718,85.201 69.69,85.242 69.442,85.49 69.401,85.518 69.352,85.527 68.827,85.527 68.827,88.292 69.008,88.473 69.373,88.473 69.373,88.08 69.382,88.031 69.41,87.99 69.69,87.71 69.731,87.682 69.78,87.673 70.447,87.673 72.71,85.41 72.751,85.382 72.8,85.373 82.8,85.373 82.849,85.382 82.89,85.41 102.053,104.573 108.892,104.573
GND on Ground Plane 2 (split plane): 137.99,68.21 27.01,68.21 27.01,135.49 137.99,135.49

## Keep-outs
Keep-Out Layer:
  lines w0.1: 26.5,67.7 138.5,67.7 138.5,136 26.5,136 26.5,67.7
  lines w0.25: 26.5,67.7 138.5,67.7 138.5,136 26.5,136 26.5,67.7

## Other copper
Ground Plane 1 (plane layer: these items are gaps in the copper):
  lines w0.5: 48.4,67.8 49,67.8 ; 49.8,67.7 53.6,67.7 53.6,77.3 62.3,86 62.3,101.5 73,112.2 73,136
Power Plane 1 (plane layer: these items are gaps in the copper):
  lines w0.25: 50.1,67.7 50.1,70.5 62.1,82.5 62.1,106.8 91.3,136 ; 62.1,93.7 58.1,89.7 44.5,89.7 33.7,100.5 33.7,108.1 41.5,115.9 65.3,115.9 68.25,112.95 ; 75.9,84.35 75.9,89.9 76.2,90.2 78.6,90.2 95.2,106.8 95.8,107.4 ; 75.9,85.4 75.9,79.9 ; 77,67.7 77,78.8 75.9,79.9 ; 97.3,136 97.3,130.7 95.4,128.8 92.3,128.8 90,126.5 90,124.7 90,122.4 90.8,121.6 92.58,121.6 95.88,124.9 112.8,124.9 116.2,121.5 116.2,112.4 121.8,106.8 121.8,96.9 123,95.7 124.9,95.7 ; 98.1,67.7 98.1,98.5 104.2,104.6 104.2,106.6 103.4,107.4 95.8,107.4 ; 104.2,106 105.8,106 106.3,106.5 106.3,109.1 109.2,112 109.2,112.68 108.8,113.08 108.8,114.2 106.623,116.377 104.877,116.377 ; 120.7,120.2 123.3,120.2 124.8,118.7 124.8,114.1 129.1,109.8 129.1,99 131.3,96.8 138.5,96.8 ; 120.7,136 120.7,112.4 124.9,108.2 124.9,95.7 ; 124.9,96.2 124.9,95.7 ; 138.5,92.5 128.1,92.5 124.9,95.7 ; 138.5,100.4 136.3,100.4 135.3,101.4 135.3,108.3 133.7,109.9 133.7,112 134.7,113 138,113 138.5,112.5 ; 75.9,79.9 73.4,79.9 72.7,80.6 72.7,90.2 75,92.5 77,92.5 93.2,108.7 93.2,112.7 96.4,115.9 99.2,115.9 102.6,119.3 105.3,119.3 106,118.6 106,116.377 104.077,116.377 103.573,115.873 103.573,115.273 101.4,113.1 97.5,113.1 95.8,111.4 95.8,107.4
Power Plane 2 (plane layer: these items are gaps in the copper):
  lines w0.25: 26.5,96.6 36.9,107 38.1,107 38.8,106.3 38.8,104.6 30.6,96.4 30.6,88 35.6,83 54.4,83 58.4,87 58.4,103.6 65.8,111 65.8,118 66.9,119.1 72.1,119.1 ; 46.3,83 46.3,89.7 45,91 43.6,91 43.1,91.5 43.1,92.4 43.8,93.1 44.4,93.1 49.9,98.6 49.9,106.9 54.9,111.9 54.9,120.9 61.8,127.8 125.9,127.8 130.1,123.6 130.1,118.4 128.8,117.1 126,117.1 125.055,118.045 125.055,118.945 124.4,119.6 122.1,119.6 119.5,117 ; 69.5,88.6 68.955,88.6 68.7,88.345 68.7,85.4 69.352,85.4 69.6,85.152 69.6,84.2 ; 74.1,93.4 76.6,93.4 77,93 77,90.8 97.7,111.5 112.1,111.5 112.8,110.8 112.8,106.7 110.8,104.7 106.9,104.7 ; 74.387,105.562 65.9,97.075 65.9,85.7 67.4,84.2 69.6,84.2 ; 75.9,95.2 95.1,114.4 104.8,114.4 106.5,116.1 107.8,117.4 119.1,117.4 120,116.5 120,112.8 ; 76,95.3 73.3,92.6 ; 77,91 75.9,91 75.6,91.3 74.3,92.6 73.3,92.6 ; 94.8,114.1 94.8,111 95.3,110.5 96.7,110.5 ; 108.5,117.4 107.9,117.4 106.2,119.1 91.1,119.1 ; 112.8,110.6 117.9,110.6 120.45,113.15 121.4,112.2 138.2,112.2 138.5,111.9 ; 69.6,84.2 73.5,80.3 84.8,80.3 109.2,104.7 106.9,104.7 ; 72.1,119.1 74.4,116.8 74.4,102.4 91.1,119.1 ; 72.1,119.1 91.1,119.1 ; 73.3,92.6 69.7,92.6 68.727,91.627 68.727,90.273 69.5,89.5 69.5,88.08 69.78,87.8 70.5,87.8 72.8,85.5 82.8,85.5 102,104.7 106.9,104.7

## Silkscreen, mask and mechanical layers (free items; w line width, h text height)
Top Overlay:
  text "MICHEL" at 101.5,79.9 h4
  text "le Filtre" at 103.4,76.1 h2
  text "Ultime" at 106.1,73.2 h2
  text "42 Elec Level UP" at 101.7,68.8 h1.3
Bottom Overlay:
  lines w0.15: 101.6,67.9 101.6,76.1 124.3,76.1 124.3,67.9 101.6,67.9 ; 101.6,76.8 124.3,76.8 124.3,85 101.6,85 101.6,76.8
  text "PSP" at 103.2,83 h1.2 r90
  text "DNI" at 103.2,73.5 h1.2 r90
Mechanical 1:
  lines w0.15: 35,76 35,130 130,130 ; 35,76.009 130,76.009 130,130.009 ; 26.5,67.7 26.5,136 138.5,136 138.5,67.7 26.5,67.7
Drill Drawing:
  lines w0.254: 167.859,81.068 168.706,81.492 169.553,81.068 169.129,81.915 169.553,82.762 168.706,82.338 167.859,82.762 168.283,81.915 167.859,81.068 ; 167.859,86.572 169.553,86.572 168.706,84.878 167.859,86.572 ; 167.859,89.535 168.706,88.688 169.553,89.535 168.706,90.382 167.859,89.535 ; 167.859,92.922 168.283,92.922 168.706,92.498 169.129,92.922 169.553,92.922 169.129,93.345 169.553,93.768 169.129,93.768 168.706,94.192 168.283,93.768 167.859,93.768 168.283,93.345 167.859,92.922 ; 167.859,96.308 167.859,96.732 168.283,97.155 167.859,97.578 167.859,98.002 168.283,98.002 168.706,97.578 169.129,98.002 169.553,98.002 169.553,97.578 169.129,97.155 169.553,96.732 169.553,96.308 169.129,96.308 168.706,96.732 168.283,96.308 167.859,96.308 ; 167.859,100.118 169.553,100.118 169.553,101.812 167.859,101.812 167.859,100.118 ; 167.859,104.352 168.283,104.352 168.283,103.928 169.129,103.928 169.129,104.352 169.553,104.352 169.553,105.198 169.129,105.198 169.129,105.622 168.283,105.622 168.283,105.198 167.859,105.198 167.859,104.352 ; 167.859,115.782 168.283,115.782 168.706,115.358 169.129,115.782 169.553,115.782 169.129,116.205 169.553,116.628 169.129,116.628 168.706,117.052 168.283,116.628 167.859,116.628 168.283,116.205 167.859,115.782 ; 167.859,119.592 168.283,119.592 168.283,119.168 169.129,119.168 169.129,119.592 169.553,119.592 169.553,120.438 169.129,120.438 169.129,120.862 168.283,120.862 168.283,120.438 167.859,120.438 167.859,119.592 ; 167.859,124.672 169.553,124.672 168.706,122.978 167.859,124.672 ; 168.198,100.457 169.214,100.457 169.214,101.473 168.198,101.473 168.198,100.457 ; 168.198,115.951 168.452,115.951 168.706,115.697 168.96,115.951 169.214,115.951 168.96,116.205 169.214,116.459 168.96,116.459 168.706,116.713 168.452,116.459 168.198,116.459 168.452,116.205 168.198,115.951 ; 168.198,119.761 168.452,119.761 168.452,119.507 168.96,119.507 168.96,119.761 169.214,119.761 169.214,120.269 168.96,120.269 168.96,120.523 168.452,120.523 168.452,120.269 168.198,120.269 168.198,119.761 ; 168.198,124.333 169.214,124.333 168.706,123.317 168.198,124.333
  lines w0.381: 166.341,79.925 225.151,79.925 ; 166.341,125.645 225.151,125.645 ; 180.333,76.115 180.333,129.455 ; 195.569,76.115 195.569,129.455 ; 166.341,76.115 225.151,76.115 225.151,129.455 166.341,129.455 166.341,76.115
  text "Symbol" at 168.627,126.788 h1.83
  text "Count" at 181.476,126.788 h1.83
  text "Hole Size" at 196.712,126.788 h1.83
  text "806" at 181.476,122.978 h1.52
  text "0,200mm (7,87mil)" at 196.712,122.978 h1.52
  text "63" at 181.476,119.168 h1.52
  text "0,300mm (11,81mil)" at 196.712,119.168 h1.52
  text "13" at 181.476,115.358 h1.52
  text "0,400mm (15,75mil)" at 196.712,115.358 h1.52
  text "12" at 181.476,111.548 h1.52
  text "0,500mm (19,69mil)" at 196.712,111.548 h1.52
  text "G" at 167.888,111.295 h1.69
  text "32" at 181.476,107.738 h1.52
  text "0,600mm (23,62mil)" at 196.712,107.738 h1.52
  text "E" at 167.888,107.485 h1.69
  text "4" at 181.476,103.928 h1.52
  text "1,000mm (39,37mil)" at 196.712,103.928 h1.52
  text "5" at 181.476,100.118 h1.52
  text "1,100mm (43,31mil)" at 196.712,100.118 h1.52
  text "7" at 181.476,96.308 h1.52
  text "1,400mm (55,12mil)" at 196.712,96.308 h1.52
  text "24" at 181.476,92.498 h1.52
  text "1,450mm (57,09mil)" at 196.712,92.498 h1.52
  text "3" at 181.476,88.688 h1.52
  text "1,600mm (62,99mil)" at 196.712,88.688 h1.52
  text "4" at 181.476,84.878 h1.52
  text "2,000mm (78,74mil)" at 196.712,84.878 h1.52
  text "2" at 181.476,81.068 h1.52
  text "2,400mm (94,49mil)" at 196.712,81.068 h1.52
  text "975 Total" at 181.476,77.258 h1.52

## Dimensions
138.5,136 to 138.5,67.7 on Mechanical 1
26.5,136 to 138.5,136 on Mechanical 1

## Text inside footprints (layer, text, board x,y; h text height)
D1: Mechanical 13 "*" at 128.565,133.364 h1.27 r270
D2: Mechanical 13 "*" at 122.836,126.865 h1.27
D3: Mechanical 13 "*" at 134.965,127.736 h1.27 r270
D4: Mechanical 13 "*" at 130.236,125.665 h1.27
D5: Mechanical 13 "*" at 122.565,126.336 h1.27 r270
D6: Mechanical 13 "*" at 122.565,132.136 h1.27 r270
D7: Mechanical 13 "*" at 122.063,124.635 h1.27 r180
D8: Mechanical 13 "*" at 132.163,125.665 h1.27
D9: Mechanical 13 "*" at 79.365,126.837 h1.27 r270
U7: Mechanical 13 "*" at 74.422,124.713 h1.27 r90
U9: Mechanical 13 "*" at 53.67,92.723 h1.27
U13: Mechanical 13 "*" at 59.97,107.623 h1.27
U14: Mechanical 13 "*" at 52.584,105.693 h1.27 r180
U15: Mechanical 13 "*" at 69.73,114.979 h1.27 r180
U16: Mechanical 13 "*" at 34.284,95.593 h1.27 r180
U17: Mechanical 13 "*" at 34.57,109.223 h1.27
VR1: Mechanical 13 "*" at 132.718,122.457 h1.27
VR2: Mechanical 13 "*" at 103.182,129.543 h1.27 r180